# Altium PCB master.PcbDoc (part 4 of 5)
Units mm, origin at the board's own origin, x right, y up, seen from the top; angles counter-clockwise.
Board outline 160 x 120 mm, 4 copper layers (Top Copper, Signal Layer 1, Signal Layer 2, Bot Copper), stack 1.56 mm thick; 330 components, 331 nets, 1402 pads, 711 vias.
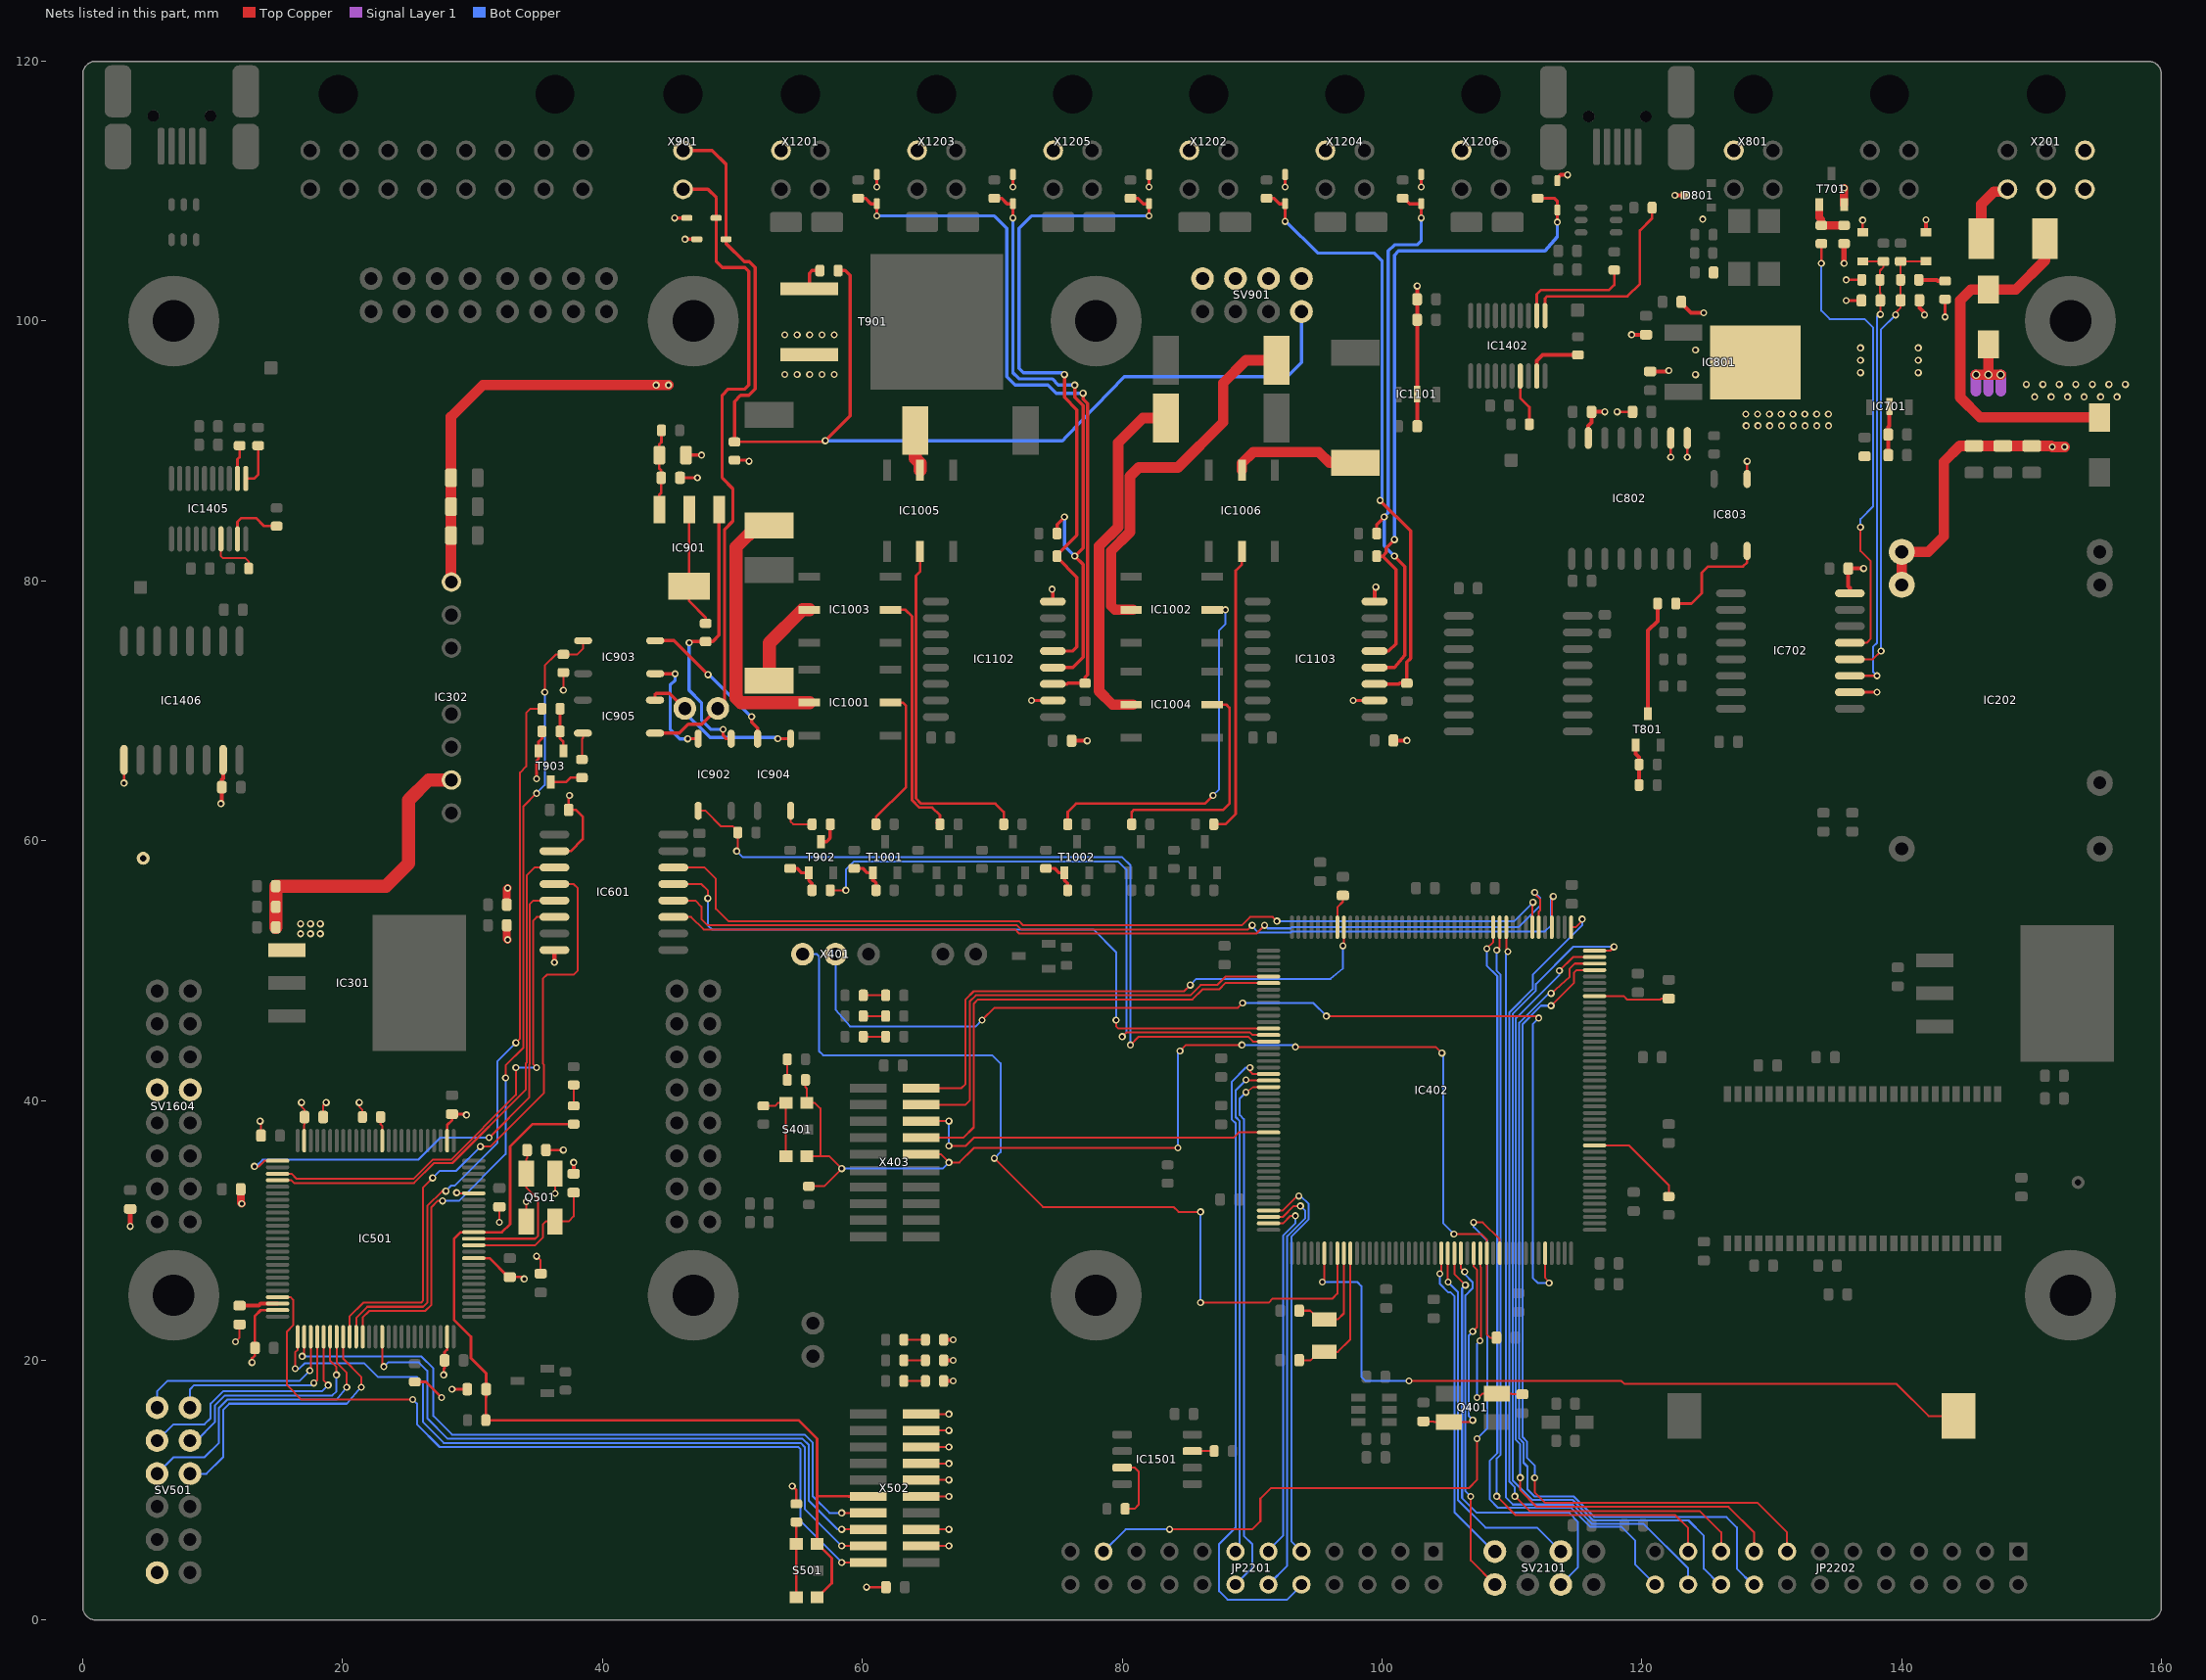
[diagram p6: the nets of this part, all layers, seen from the top]

## Via types
v1: diameter 0.55, hole 0.3, Top Copper to Bot Copper, tented both sides, 708 vias
v2: diameter 0.65, hole 0.4, Top Copper to Bot Copper, tented both sides, 3 vias

## Nets (pads, with @x,y where several pads share a name; then routed paths per layer and width w, separated by ;. In a path a pad name is that pad's centre, name@x,y a point inside that pad or via, vN(x,y) a via of type N, cw(c..) or ccw(c..) an arc to the next point about the centre after c; other vN are vias at no path point) (continued)
GND_1: C301.2 C305.2 C306.2 C307.2 C308.2 C501.1 C502.2 C503.2 C504.2 C505.2 C506.2 C507.2 C508.2 C509.2 C510.2 C511.2 C512.2 C513.2 C602.2 C1410.2 C1603.2 C1604.2 IC301.1 IC302.7 IC501.10 IC501.20 IC501.27 IC501.74 IC501.99 IC601.2 IC601.8 IC1406.9 IC1406.15 Q501.2 Q501.4 R301.2 R502.1 R506.1 R507.1 R508.1 R509.1 R904.1 R911.2 SV501.2 SV1604.9 SV1604.10 T903.S TP_GND_301.1 X502.3 X502.5 X502.9 X502.11 X502.13 X502.15 X502.17 X502.19 | length 102.3
  Top Copper w0.152: v1(11.747,21.416) 12.065,21.734 C511.2@12.065,22.63 ; v1(13.652,38.403) 13.721,38.334 C503.2@13.721,37.291 ; C512.2@18.505,38.72 18.505,39.604 v1(18.732,39.831) ; v1@21.375,39.729 v1(21.273,39.831) 21.273,39.524 21.525,39.272 R507.1@21.525,38.72 ; v1(28.77,32.897) 28.812,32.854 IC501.20@30.293,32.854 ; v1(32.067,30.624) 32.067,31.679 C502.2@32.124,31.735 ; v1(34.131,32.211) 34.142,32.2 Q501.4@34.142,30.679 ; v1(34.925,28.004) 35.242,27.687 C510.2@35.242,26.791 ; Q501.2@36.343,34.379 36.343,32.857 v1(36.354,32.846) ; v1(36.989,71.581) R904.1@36.989,72.795 ; X502.3@64.535,5.7 v1(66.675,5.7) ; X502.5@64.535,6.97 v1(66.675,6.97) ; X502.9@64.535,9.51 v1(66.675,9.51) ; X502.11@64.535,10.78 v1(66.675,10.78) ; X502.13@64.535,12.05 v1(66.675,12.05) ; X502.15@64.535,13.32 v1(66.675,13.32) ; X502.17@64.535,14.59 v1(66.675,14.59) ; X502.19@64.535,15.86 v1(66.675,15.86)
  Top Copper w0.203: v1(3.175,64.438) IC1406.9@3.175,66.213 IC1406.9@3.175,66.26 ; v1(13.018,19.829) 13.018,20.136 13.245,20.363 C507.2@13.245,20.94 13.245,23.405 13.694,23.854 IC501.74@14.992,23.854 ; R502.1@25.559,18.335 26.418,18.335 v1(27.622,17.13) ; v1(27.781,18.876) 27.781,19.342 27.85,19.411 C508.2@27.85,19.988 27.85,20.61 28.042,20.802 IC501.99@28.042,21.804 ; IC501.27@28.042,36.904 28.042,38.097 28.416,38.471 C506.2@28.416,38.948 29.459,38.948 v1(29.527,38.879) ; v1(28.416,17.765) C509.2@29.471,17.765 ; IC501.10@30.093,27.854 31.314,27.854 32.761,26.406 C504.2@32.861,26.406 33.824,26.406 v1(33.972,26.258) ; v1(34.925,64.755) 34.925,66.145 35.086,66.306 T903.S@35.086,66.908 35.086,67.605 35.336,67.855 R911.2@35.336,68.406 ; C505.2@35.775,36.18 v1(36.989,36.18) ; IC601.2@36.303,59.199 37.555,59.199 38.481,60.125 38.481,61.849 37.956,62.374 C602.2@37.396,62.374 37.396,63.416 v1(37.465,63.485) ; v1(54.61,10.304) 54.927,9.986 R506.1@54.927,8.94 ; v1(60.325,2.525) C513.2@61.698,2.525
  Top Copper w0.305: v1(10.636,62.85) 10.705,62.919 C1410.2@10.705,64.12 10.705,64.697 10.795,64.787 IC1406.15@10.795,66.213 ; v1(36.303,50.626) IC601.8@36.303,51.579 ; C501.1@37.782,34.355 v1(37.782,35.228) ; R509.1@66.264,18.4 v1(67.005,18.4) ; R508.1@66.264,19.988 v1(67.005,19.988) ; R301.2@66.264,21.575 v1(67.005,21.575)
  Top Copper w0.406: v1(3.651,30.306) C1604.2@3.651,31.52
  Top Copper w0.61: C1603.2@12.155,33.164 12.155,32.121 v1(12.224,32.053) ; C305.2@32.634,53.484 32.634,52.441 v1(32.703,52.373) ; C306.2@32.634,55.071 32.634,56.273 v1(32.703,56.341)
  Top Copper w1.016: C301.2@14.854,53.325 C308.2@14.854,54.913 C307.2@14.854,56.5 23.329,56.5 25.089,58.26 25.089,63.138 26.621,64.67 IC302.7@28.375,64.67
  other v1: 16.764,52.832 17.526,52.832 18.288,52.832 16.764,53.594 17.526,53.594 18.288,53.594
GND_EXT_0: C201.2 C203.2 C204.2 C302.2 C303.2 C304.2 C701.2 C702.2 C703.2 C704.2 C705.2 C706.2 C801.1 C802.1 C803.1 C804.2 C805.1 C806.1 C1101.2 C1102.2 C1103.2 C1104.2 C1105.2 D701.2 D702.2 D801.3 D1101.2 D1102.2 D1103.2 D1104.2 D1105.2 D1106.2 IC202.2 IC202.3 IC302.1 IC701.2 IC702.2 IC702.8 IC801.2 IC802.9 IC802.10 IC802.15 IC803.3 IC1101.2 IC1102.2 IC1102.8 IC1103.2 IC1103.8 R703.1 R705.1 R707.2 SV901.2 T201.2 T701.S X201.5 X801.1 X1201.1 X1202.1 X1203.1 X1204.1 X1205.1 X1206.1 | length 117.3
  Top Copper w0.203: v1(118.11,93.013) C805.1@119.29,93.013 C805.1@119.315,93.013 ; v1(122.237,89.52) IC802.10@122.237,90.995 IC802.10@122.237,91.095 ; v1(123.507,89.52) IC802.9@123.507,90.995 IC802.9@123.507,91.095 ; IC803.3@128.111,87.875 v1(128.111,89.203) ; v1(135.731,101.585) C704.2@136.786,101.585 ; v1(135.731,103.173) R703.1@136.786,103.173 ; IC702.2@135.973,71.423 IC702.2@136.02,71.423 v1(138.112,71.423) ; D701.2@137.001,106.85 v1(137.001,107.776) ; v1(143.351,100.315) R705.1@143.351,101.529
  Top Copper w0.254: v1(61.119,110.316) D1101.2@61.119,111.258 ; v1(71.596,110.316) D1103.2@71.596,111.258 ; v1(73.025,70.788) IC1102.2@74.668,70.788 IC1102.2@74.695,70.788 ; v1(74.612,79.36) 74.668,79.305 IC1102.8@74.668,78.408 ; v1(82.074,110.316) D1105.2@82.074,111.258 ; v1(92.551,110.316) D1102.2@92.551,111.258 ; v1(97.79,70.788) IC1103.2@99.433,70.788 IC1103.2@99.46,70.788 ; v1(103.029,110.316) D1104.2@103.029,111.258
  Top Copper w0.305: C1104.2@76.112,67.691 v1(77.311,67.691) ; IC1103.8@99.433,78.408 99.433,79.415 v1(99.536,79.519) ; C1105.2@100.883,67.708 v1(101.917,67.708) ; C1103.2@102.711,91.901 IC1101.2@102.711,94.379 C1102.2@102.711,100.101 C1101.2@102.711,101.676 v1(102.711,102.696) ; D1106.2@113.506,110.806 113.506,111.006 113.77,111.27 114.282,111.27 v1(114.3,111.252) ; IC802.15@115.887,90.995 115.887,91.947 116.136,92.195 C806.1@116.136,93.013 v1(117.157,93.013) ; v1(119.221,98.955) C802.1@120.332,98.955 ; C803.1@120.65,96.119 122.01,96.119 v1(122.079,96.188) ; v1(122.555,109.677) D801.3@123.358,109.677 ; C801.1@123.051,101.473 123.051,101.373 123.792,100.633 v1(124.777,100.633) ; IC702.8@136.02,79.043 136.02,79.444 135.901,79.563 C706.2@135.901,80.948 v1(137.081,80.948) ; C701.2@138.975,89.679 C702.2@138.975,91.266 138.975,91.843 139.065,91.933 IC701.2@139.065,93.426 ; C705.2@141.379,101.6 141.379,101.023 141.764,100.638 v1(141.764,100.474) ; D702.2@141.884,106.83 v1(141.884,107.798)
  Top Copper w0.406: v1(135.572,104.443) R707.2@135.572,105.815
  Top Copper w0.61: T701.S@135.57,108.958 135.57,110.234 v1(135.572,110.237)
  Top Copper w0.813: IC302.1@28.375,79.91 28.344,79.941 C302.2@28.344,83.488 C303.2@28.344,85.71 C304.2@28.344,87.933 28.344,92.623 30.797,95.076 v1(44.133,95.076) v1(45.085,95.076) ; IC202.3@140.017,79.62 IC202.3@140.017,79.69 IC202.2@140.017,82.16 ; IC202.2@140.017,82.23 142.047,82.23 143.256,83.439 143.256,89.154 144.488,90.386 C203.2@145.574,90.386 C204.2@147.796,90.386 C201.2@150.019,90.386 151.534,90.386 v1(151.606,90.314) v1(152.559,90.314) ; v2(145.732,95.87) v2(146.685,95.87) ; T201.2@146.685,98.315 T201.2@146.685,98.205 v2(146.685,95.87) ; v2(147.637,95.87) v2(146.685,95.87)
  Signal Layer 1 w0.813: 145.732,94.6 v2(145.732,95.87) ; 146.685,94.6 v2(146.685,95.87) ; 147.637,94.6 v2(147.637,95.87)
  other v1: 128.034,91.948 128.941,91.948 129.848,91.948 130.756,91.948 131.663,91.948 132.57,91.948 133.477,91.948 134.384,91.948 128.016,92.837 128.923,92.837 129.83,92.837 130.737,92.837 131.645,92.837 132.552,92.837 133.459,92.837 134.366,92.837 124.142,95.87 136.843,96.029 141.287,96.029 136.843,96.981 141.287,96.981 124.142,97.775 136.843,97.934 141.287,97.934 124.689,107.848
GND_EXT_2: C901.2 C902.2 D901.2 D902.2 R906.1 SV901.4 SV901.6 SV901.8 T901.3 X201.3 X201.6 | length 5.5
  Top Copper w0.203: C902.2@46.094,87.933 v1(47.307,87.933) ; D902.2@46.487,107.935 D902.2@46.514,107.908
  Top Copper w0.254: v1(45.561,107.935) D902.2@46.487,107.935 ; C901.2@46.352,89.679 C901.2@46.428,89.679 v1(47.625,89.679) ; v1(46.355,106.299) D901.2@47.262,106.299 ; R906.1@50.165,89.296 51.183,89.296 v1(51.276,89.203)
  Bot Copper w1.27: SV901.4@91.27,103.27 SV901.4@91.281,103.27
  other v1: 54.038,95.885 54.991,95.885 55.944,95.885 56.896,95.885 57.848,95.885 54.038,98.933 54.991,98.933 55.944,98.933 56.896,98.933 57.848,98.933
GPIO_MCU_1_0: IC501.83 SV501.7 | length 22.4
  Top Copper w0.152: IC501.83@20.042,21.604 20.042,20.106 21.431,18.718 v1(21.431,17.924)
  Bot Copper w0.152: SV501.7@8.255,11.27 8.269,11.256 9.525,11.256 10.795,12.526 10.795,16.178 11.271,16.654 20.32,16.654 v1(21.431,17.924)
GPIO_MCU_1_1: IC501.82 SV501.8 | length 23
  Top Copper w0.152: IC501.82@19.543,21.604 19.543,19.813 20.32,19.035 v1(20.32,17.924)
  Bot Copper w0.152: SV501.8@5.715,11.27 6.971,12.526 9.366,12.526 10.477,13.638 10.477,16.336 11.112,16.971 19.526,16.971 v1(20.32,17.924)
GPIO_MCU_1_2: IC501.81 SV501.9 | length 18
  Top Copper w0.152: IC501.81@19.042,21.804 19.042,19.953 19.526,19.47 v1(19.526,18.876)
  Bot Copper w0.152: SV501.9@8.255,13.81 8.745,13.81 10.16,15.225 10.16,16.495 10.954,17.289 19.209,17.289 19.526,17.606 v1(19.526,18.876)
GPIO_MCU_1_3: IC501.80 SV501.10 | length 19.3
  Top Copper w0.152: IC501.80@18.543,21.604 18.543,18.431 v1(18.891,18.083)
  Bot Copper w0.152: SV501.10@5.715,13.81 6.971,15.066 9.366,15.066 9.842,15.543 9.842,16.654 10.795,17.606 18.415,17.606 v1(18.891,18.083)
GPIO_MCU_1_4: IC501.79 SV501.11 | length 14.9
  Top Copper w0.152: 18.042,18.455 v1(17.78,18.241) 18.042,18.504 IC501.79@18.042,21.604
  Bot Copper w0.152: SV501.11@8.255,16.35 8.255,17.765 8.572,18.083 17.621,18.083 v1(17.78,18.241)
GPIO_MCU_1_5: IC501.78 SV501.12 | length 16.1
  Top Copper w0.152: v1(17.462,19.194) 17.543,19.274 IC501.78@17.543,21.604
  Bot Copper w0.152: SV501.12@5.715,16.35 5.715,17.606 6.509,18.4 16.669,18.4 v1(17.462,19.194)
HSE_1_MCU_0: C402.2 IC402.29 Q401.1 | length 17
  Top Copper w0.152: C402.2@103.188,15.294 103.988,15.294 104.046,15.236 Q401.1@105.148,15.236 106.85,15.236 v1(106.998,15.384) ; v1(106.998,22.21) 107.315,22.528 107.315,26.973 107.072,27.215 IC402.29@107.072,28.034
  Bot Copper w0.152: v1(106.998,15.384) 106.68,15.701 106.68,21.893 v1(106.998,22.21)
HSE_1_MCU_1: C501.2 IC501.12 Q501.1 | length 11
  Top Copper w0.152: IC501.12@30.093,28.854 34.823,28.854 35.433,29.464 35.433,30.471 35.641,30.679 Q501.1@36.343,30.679 37.384,30.679 37.782,31.077 C501.2@37.782,32.905
HSE_2_MCU_0: C414.1 IC402.30 Q401.3 | length 14.7
  Top Copper w0.152: v1(107.315,17.13) 107.44,17.13 107.746,17.436 Q401.3@108.847,17.436 109.949,17.436 110.007,17.379 C414.1@110.807,17.379 ; v1(107.553,21.496) 107.632,21.575 107.632,27.131 107.573,27.191 IC402.30@107.573,28.034
  Bot Copper w0.152: v1(107.315,17.13) 107.315,21.257 v1(107.553,21.496)
HSE_2_MCU_1: C505.1 IC501.13 Q501.3 | length 12
  Top Copper w0.152: IC501.13@30.093,29.354 34.815,29.354 35.052,29.591 35.052,32.368 34.142,33.277 Q501.3@34.142,34.379 34.142,35.48 34.2,35.538 C505.1@34.2,36.18
INTERLOCK_CONTROL_MCU_0: IC402.146 R909.2 | length 49
  Top Copper w0.152: R909.2@57.682,56.183 v1(58.737,56.183) ; v1(80.01,44.911) 80.328,45.229 89.852,45.229 90.048,45.034 IC402.146@91.072,45.034
  Bot Copper w0.152: v1(58.737,56.183) 58.737,57.77 59.372,58.405 79.692,58.405 80.328,57.77 80.328,45.229 v1(80.01,44.911)
INTERLOCK_CONTROL_MCU_1: IC501.85 R912.2 | length 57.7
  Top Copper w0.152: IC501.85@21.042,21.604 21.042,23.25 21.907,24.115 26.194,24.115 26.511,24.433 26.511,31.867 27.664,33.02 v1(27.94,33.02) ; v1(33.337,44.435) 33.655,44.753 33.655,65.231 34.131,65.708 34.131,69.835 34.449,70.153 R912.2@35.186,70.153
  Bot Copper w0.152: v1(27.94,33.02) 28.371,33.451 28.647,33.451 31.909,36.713 31.909,43.006 v1(33.337,44.435)
INTERLOCK_FEEDBACK_MCU_0: IC402.147 IC902.3 R903.2 | length 60.7
  Top Copper w0.152: IC902.3@47.371,62.298 47.938,62.298 49.138,61.098 50.047,61.098 50.418,60.728 R903.2@50.418,60.628 50.418,59.293 v1(50.324,59.199) ; v1(80.645,44.276) 81.28,44.911 89.694,44.911 90.071,44.534 IC402.147@91.072,44.534
  Bot Copper w0.152: v1(50.324,59.199) 50.8,58.723 80.01,58.723 80.645,58.088 v1(80.645,44.276)
INTERLOCK_FEEDBACK_MCU_1: IC501.86 IC903.3 R904.2 | length 65.2
  Top Copper w0.152: IC501.86@21.543,21.604 21.543,23.274 22.066,23.798 26.352,23.798 26.829,24.274 26.829,31.782 27.305,32.258 v1(27.686,32.258) ; v1(32.544,41.736) 32.544,42.689 33.909,44.054 33.909,62.628 v1(34.925,63.644) ; v1(35.56,71.423) 35.56,73.468 36.437,74.345 R904.2@36.989,74.345 38.064,74.345 38.511,74.792 IC903.3@38.511,75.393
  Bot Copper w0.152: v1(27.686,32.258) 28.939,32.258 32.544,35.863 v1(32.544,41.736) ; v1(34.925,63.644) 35.56,64.279 v1(35.56,71.423)
INTERLOCK_STATUS: D901.1 R905.1 R906.2 SV901.1 X901.1 | length 92.1
  Top Copper w0.152: X901.1@46.2,113.06 X901.1@46.2,113.14
  Top Copper w0.203: R906.2@50.165,90.696 57.056,90.696 v1(57.15,90.79) ; R906.2@50.165,90.846 R906.2@50.221,90.79
  Top Copper w0.254: X901.1@46.2,113.14 48.453,113.14 49.512,112.081 D901.1@49.512,106.299 49.512,105.972 50.913,104.572 51.306,104.572 51.752,104.125 51.752,94.759 51.276,94.283 50.641,94.283 50.165,93.806 R906.2@50.165,90.846 ; v1(57.15,90.79) 59.055,92.695 59.055,103.505 58.674,103.886 R905.1@58.137,103.886
  Bot Copper w0.203: SV901.1@93.81,100.73 SV901.1@93.821,100.719
  Bot Copper w0.254: v1(57.15,90.79) 75.406,90.79 75.724,91.108 80.169,95.711 92.71,95.711 93.821,96.823 SV901.1@93.821,100.719
ISO_GPIO_MCU_0_IN_0: IC402.100 JP2202.21 | length 61.9
  Top Copper w0.152: v1(108.839,9.525) 110.283,8.081 122.555,8.081 123.57,7.066 JP2202.21@123.57,5.27 ; v1(108.839,51.562) 109.072,51.795 IC402.100@109.072,53.534
  Bot Copper w0.152: v1(108.839,9.525) 108.839,12.446 109.139,12.746 109.139,49.679 108.839,49.979 v1(108.839,51.562)
ISO_GPIO_MCU_0_IN_1: IC402.101 JP2202.24 | length 61.6
  Top Copper w0.152: v1(108.07,51.689) 108.573,52.192 IC402.101@108.573,53.534
  Bot Copper w0.152: v1(108.07,51.689) 108.07,50.39 108.885,49.574 108.885,12.851 108.285,12.251 108.285,9.295 108.944,8.636 114.573,8.636 116.048,7.161 118.442,7.161 119.507,6.096 119.507,4.257 JP2202.24@121.032,2.732 JP2202.24@121.03,2.73
ISO_GPIO_MCU_0_IN_2: IC402.154 JP2201.14 | length 40.7
  Top Copper w0.152: v1(89.535,40.625) 90.102,41.034 IC402.154@91.072,41.034
  Bot Copper w0.152: JP2201.14@88.73,2.73 90.011,4.011 90.011,5.859 89.376,6.494 89.376,38.561 89.059,38.879 89.059,40.149 v1(89.535,40.625)
ISO_GPIO_MCU_0_IN_3: IC402.173 JP2201.9 | length 31.6
  Top Copper w0.152: IC402.173@91.072,31.534 92.367,31.534 93.472,32.639 v1(93.61,32.639)
  Bot Copper w0.152: v1(93.61,32.639) 93.748,32.639 94.361,32.026 94.361,30.846 93.027,29.513 93.027,6.053 JP2201.9@93.81,5.27
ISO_GPIO_MCU_0_OUT_0: IC402.152 JP2201.10 | length 50.5
  Top Copper w0.152: v1(89.852,42.53) 89.852,42.227 90.046,42.034 IC402.152@91.072,42.034
  Bot Copper w0.152: v1(89.852,42.53) 89.535,42.53 88.424,41.419 88.424,38.561 88.741,38.244 88.741,7.129 87.471,5.859 87.471,2.208 88.106,1.573 92.71,1.573 93.81,2.673 JP2201.10@93.81,2.729
ISO_GPIO_MCU_0_OUT_1: IC402.153 JP2201.13 | length 38.5
  Top Copper w0.152: v1@89.491,41.534 v1(89.535,41.578) 89.579,41.534 IC402.153@91.072,41.534
  Bot Copper w0.152: JP2201.13@88.73,5.27 89.059,5.599 89.059,38.403 88.741,38.72 88.741,40.784 v1(89.535,41.578)
ISO_GPIO_MCU_0_OUT_2: IC402.174 JP2201.12 | length 33.5
  Top Copper w0.152: IC402.174@91.072,31.034 92.375,31.034 93.218,31.877 v1(93.726,31.877)
  Bot Copper w0.152: JP2201.12@91.27,2.73 92.71,4.17 92.71,29.554 94.107,30.951 94.107,31.496 v1(93.726,31.877)
ISO_GPIO_MCU_0_OUT_3: IC402.175 JP2201.11 | length 29.2
  Top Copper w0.152: IC402.175@91.072,30.534 92.383,30.534 92.964,31.115 v1(93.345,31.115)
  Bot Copper w0.152: JP2201.11@91.27,5.27 91.281,5.281 91.281,5.383 92.392,6.494 92.392,29.596 93.345,30.548 v1(93.345,31.115)
ISONOC_0_CONTROL: IC402.85 JP2202.15 | length 66.6
  Top Copper w0.152: v1(111.76,10.939) 111.76,9.828 112.554,9.034 128.905,9.034 131.19,6.749 JP2202.15@131.19,5.27 ; v1(113.03,47.293) 114.776,49.039 114.776,49.833 114.977,50.034 IC402.85@116.573,50.034
  Bot Copper w0.152: v1(111.76,10.939) 111.76,11.891 111.157,12.495 111.157,13.746 110.825,14.078 110.825,45.871 112.246,47.293 v1(113.03,47.293)
ISONOC_1_CONTROL: IC402.86 JP2202.18 | length 66.7
  Top Copper w0.152: v1(113.03,48.245) 114.459,49.515 114.459,50.15 114.843,50.534 IC402.86@116.573,50.534
  Bot Copper w0.152: v1(113.03,48.245) 112.839,48.245 110.571,45.976 110.571,13.973 110.903,13.641 110.903,12.114 111.203,11.813 111.203,10.067 111.76,9.51 114.776,9.51 116.364,7.923 126.524,7.923 127.317,7.129 127.317,3.954 128.541,2.73 JP2202.18@128.65,2.73
ISONOC_2_CONTROL: IC402.87 JP2202.17 | length 65.7
  Top Copper w0.152: v1(110.649,10.954) 110.649,9.986 111.919,8.716 126.682,8.716 128.65,6.749 JP2202.17@128.65,5.27 ; v1(113.665,49.991) 114.707,51.034 IC402.87@116.573,51.034
  Bot Copper w0.152: v1(110.649,10.954) 110.649,13.535 110.317,13.868 110.317,46.325 113.665,49.674 v1(113.665,49.991)
ISONOC_3_CONTROL: IC402.88 JP2202.20 | length 68.6
  Top Copper w0.152: IC402.88@116.373,51.534 117.574,51.534 v1(117.856,51.816)
  Bot Copper w0.152: v1(117.856,51.816) 114.706,51.816 111.855,48.966 111.855,48.457 110.063,46.665 110.063,10.756 111.562,9.256 114.671,9.256 116.259,7.669 123.603,7.669 124.777,6.494 124.777,3.954 126.001,2.73 JP2202.20@126.11,2.73
ISONOC_4_CONTROL: IC402.89 JP2202.19 | length 66.6
  Top Copper w0.152: v1(110.236,9.525) 111.362,8.399 124.46,8.399 126.11,6.749 JP2202.19@126.11,5.27 ; IC402.89@114.572,53.334 114.929,53.334 115.411,53.816 v1(115.411,53.96)
  Bot Copper w0.152: v1(110.236,9.525) 110.236,10.223 109.809,10.651 109.809,46.77 111.601,48.563 111.601,49.674 115.411,53.484 v1(115.411,53.96)
ISONOC_5_CONTROL: IC402.99 JP2202.22 | length 61.5
  Top Copper w0.152: IC402.99@109.572,53.334 109.572,51.575 v1(109.689,51.458)
  Bot Copper w0.152: v1(109.689,51.458) 109.555,51.324 109.555,9.422 110.087,8.89 114.678,8.89 116.153,7.415 120.131,7.415 123.572,3.973 JP2202.22@123.572,2.732 JP2202.22@123.57,2.73
LSE_1_MCU_0: C428.2 IC402.9 Q402.2 | length 8.3
  Top Copper w0.152: C428.2@93.629,23.814 94.486,23.814 95.157,23.144 Q402.2@95.557,23.144 96.608,23.144 97.072,23.608 IC402.9@97.072,28.034
LSE_2_MCU_0: C429.1 IC402.10 Q402.1 | length 11
  Top Copper w0.152: C429.1@93.629,20.004 94.517,20.004 95.157,20.644 Q402.1@95.557,20.644 96.608,20.644 97.573,21.608 IC402.10@97.573,28.034
MCU_0_NRESET: C425.1 IC402.31 R404.1 R405.1 S401.3 S401.4 X403.10 | length 95.1
  Top Copper w0.152: R404.1@55.628,41.578 55.628,41.026 55.728,40.926 S401.4@55.728,39.818 56.329,39.818 56.769,39.378 56.769,35.717 ; S401.3@55.728,35.717 56.769,35.717 ; R405.1@55.88,33.388 57.056,33.388 v1(58.42,34.751) 57.454,35.717 56.769,35.717 ; X403.10@64.535,35.863 66.04,35.863 v1(66.675,35.228) 67.469,35.228 68.58,36.339 v1(84.296,36.339) ; v1(84.455,43.8) 84.931,44.276 v1(89.218,44.276) ; v1(93.345,44.118) 104.14,44.118 v1(104.616,43.641) ; v1(105.537,29.718) 107.658,29.718 108.072,29.304 108.072,21.997 108.336,21.734 C425.1@108.813,21.734
  Bot Copper w0.152: v1(58.42,34.751) 66.199,34.751 v1(66.675,35.228) ; v1(84.296,36.339) 84.296,43.641 v1(84.455,43.8) ; v1(89.218,44.276) 93.186,44.276 v1(93.345,44.118) ; v1(104.616,43.641) 104.729,43.529 104.729,30.526 v1(105.537,29.718)
MCU_0_RTC_ALARM_OUT: IC402.8 X401.3 | length 68.8
  Top Copper w0.152: v1(70.168,35.545) 73.912,31.801 83.955,31.801 84.338,31.418 v1(86.042,31.418) ; v1(86.042,24.433) 91.281,24.433 91.599,24.75 96.203,24.75 96.573,25.12 IC402.8@96.573,28.034
  Bot Copper w0.152: X401.3@55.404,51.261 56.514,51.261 56.674,51.102 56.674,43.8 56.991,43.483 70.009,43.483 70.644,42.848 70.644,36.021 v1(70.168,35.545) ; v1(86.042,24.433) v1(86.042,31.418)
MCU_0_RTC_WAKEUP_IN: IC402.40 X401.2 | length 84
  Top Copper w0.152: v1(69.215,46.181) 70.168,47.134 88.917,47.134 v1(89.281,47.498) ; v1(95.726,46.499) 111.919,46.499 v1(112.078,46.34) ; IC402.40@112.573,28.034 112.573,26.356 v1(112.871,25.941)
  Bot Copper w0.152: X401.2@57.944,51.261 57.944,46.975 59.055,45.705 68.739,45.705 v1(69.215,46.181) ; v1(89.281,47.498) 94.727,47.498 v1(95.726,46.499) ; v1(112.078,46.34) 111.601,45.864 111.601,26.338 111.998,25.941 v1(112.871,25.941)
MCU_0_SWCLK: IC402.137 X403.4 | length 35.1
  Top Copper w0.152: X403.4@64.535,39.673 67.945,39.673 68.263,39.99 68.263,47.61 68.739,48.086 85.249,48.086 86.042,48.88 87.312,48.88 87.966,49.534 IC402.137@91.072,49.534
MCU_0_SWDIO: IC402.124 X403.2 | length 43.6
  Top Copper w0.152: X403.2@64.535,40.943 67.627,40.943 67.945,41.26 67.945,47.769 68.58,48.404 84.772,48.404 v1(85.249,48.88) ; IC402.124@97.072,53.534 v1@97.072,51.979 ; v1@97.072,51.979 97.072,51.972 v1(96.996,51.896) v1@97.072,51.979
  Bot Copper w0.152: v1(85.249,48.88) 85.725,49.356 96.044,49.356 96.996,50.15 v1(96.996,51.896)
MCU_0_SWO: IC402.161 X403.6 | length 28.9
  Top Copper w0.152: X403.6@64.535,38.403 v1(66.675,38.403) ; v1(66.675,36.498) 67.945,36.498 68.58,37.133 88.582,37.133 88.984,37.534 IC402.161@91.072,37.534
  Bot Copper w0.152: v1(66.675,36.498) v1(66.675,38.403)
MCU_0_TDI: IC402.138 X403.8 | length 37.3
  Top Copper w0.152: X403.8@64.535,37.133 67.786,37.133 68.58,37.926 68.58,47.451 68.897,47.769 85.407,47.769 86.196,48.557 87.466,48.557 87.947,49.039 87.953,49.034 IC402.138@91.272,49.034
MCU_1_NRESET: C509.1 IC501.14 R503.1 R505.1 S501.3 S501.4 X502.10 | length 74.6
  Top Copper w0.203: R503.1@37.782,38.179 34.623,38.179 32.893,36.449 32.893,30.48 32.267,29.854 IC501.14@30.093,29.854 29.091,29.854 28.574,29.337 28.574,23.115 29.878,21.811 29.878,20.16 31.046,18.992 C509.1@31.046,17.765 31.046,17.188 31.021,17.163 R505.1@31.021,15.384 55.101,15.384 56.521,13.964 56.521,9.525 ; S501.3@56.521,1.745 56.571,1.745 57.658,2.832 57.658,4.758 56.571,5.845 S501.4@56.521,5.845 56.521,9.525 ; X502.10@60.465,9.51 58.963,9.51 58.948,9.525 56.521,9.525
MCU_1_SWCLK: IC501.76 X502.4 | length 57.2
  Top Copper w0.152: v1(16.351,19.353) 16.337,19.367 16.337,20.596 16.542,20.802 IC501.76@16.542,21.804 ; v1(58.42,5.7) X502.4@60.465,5.7
  Bot Copper w0.152: v1(16.351,19.353) 16.669,19.353 17.064,19.748 21.671,19.748 22.701,18.718 25.717,18.718 26.194,18.241 26.194,15.225 27.781,13.638 55.245,13.638 55.562,13.32 55.562,8.558 v1(58.42,5.7)
MCU_1_SWDIO: IC501.72 X502.2 | length 62.6
  Top Copper w0.152: IC501.72@14.992,24.854 15.994,24.854 16.192,24.655 16.192,22.686 15.716,22.21 15.716,18.083 16.828,16.971 v1(25.4,16.971) ; v1(58.42,4.43) X502.2@60.465,4.43
  Bot Copper w0.152: v1(25.4,16.971) 25.717,16.654 25.717,15.066 27.464,13.32 55.086,13.32 55.245,13.161 55.245,7.605 v1(58.42,4.43)
MCU_1_SWO: IC501.89 X502.6 | length 49.6
  Top Copper w0.152: v1@23.019,19.67 v1@23.043,19.646 ; IC501.89@23.043,21.604 v1@23.043,19.646 ; v1(23.177,19.511) v1@23.043,19.646 ; v1(58.42,6.97) X502.6@60.465,6.97
  Bot Copper w0.152: v1(23.177,19.511) 23.495,19.829 25.876,19.829 26.511,19.194 26.511,15.543 28.099,13.955 55.404,13.955 55.88,13.479 55.88,9.193 58.102,6.97 v1(58.42,6.97)
MCU_1_TDI: IC501.77 X502.8 | length 54.7
  Top Copper w0.152: v1@17.042,20.408 16.94,20.305 v1(16.891,20.305) 16.891,20.369 17.042,20.52 IC501.77@17.042,21.604 ; v1(58.42,8.24) X502.8@60.465,8.24
  Bot Copper w0.152: v1(16.891,20.305) 26.035,20.305 26.987,19.353 26.987,15.701 28.416,14.273 55.562,14.273 56.197,13.638 56.197,9.51 57.468,8.24 v1(58.42,8.24)
MCU_TO_FPGA_INTERFACE_MCU_0_CS: IC402.24 SV2101.7 | length 24.8
  Top Copper w0.152: v1(104.457,26.655) 104.573,26.77 IC402.24@104.573,28.034
  Bot Copper w0.152: v1(104.457,26.655) 104.457,25.871 105.093,25.236 105.259,25.236 105.6,24.894 105.6,8.267 108.644,5.224 SV2101.7@108.69,5.27
MCU_TO_FPGA_INTERFACE_MCU_0_MISO: IC402.26 SV2101.4 | length 34.2
  Top Copper w0.152: IC402.26@105.573,28.034 105.573,26.634 v1(106.426,25.781)
  Bot Copper w0.152: v1(106.426,25.781) 106.172,25.527 106.172,9.393 107.31,8.255 114.437,8.255 115.094,7.543 115.094,4.054 SV2101.4@113.77,2.73
MCU_TO_FPGA_INTERFACE_MCU_0_MOSI: IC402.27 SV2101.8 | length 27
  Top Copper w0.152: IC402.27@106.073,28.234 106.073,27.104 v1(106.362,26.814) ; v1(106.839,9.51) 106.839,4.581 SV2101.8@108.69,2.73
  Bot Copper w0.152: v1(106.362,26.814) 106.362,26.629 106.98,26.011 106.98,25.551 106.426,24.997 106.426,9.923 v1(106.839,9.51)
MCU_TO_FPGA_INTERFACE_MCU_0_SCK: IC402.25 SV2101.3 | length 28.7
  Top Copper w0.152: IC402.25@105.072,28.034 105.072,26.04 v1(105.093,26.02)
  Bot Copper w0.152: v1(105.093,26.02) 105.855,25.258 105.855,9.229 107.97,7.114 111.926,7.114 SV2101.3@113.77,5.27
MCU_TO_MCU_INTERFACE_MCU_0_CS: IC402.92 IC601.12 | length 74.5
  Top Copper w0.152: IC601.12@45.406,55.389 IC601.12@45.453,55.389 47.149,55.389 47.625,54.913 47.625,53.96 48.101,53.484 71.914,53.484 72.231,53.166 89.694,53.166 v1(90.011,53.484) ; IC402.92@113.072,53.334 113.072,55.59 v1(113.189,55.706)
  Bot Copper w0.152: v1(90.011,53.484) 90.468,52.912 92.974,52.912 93.069,53.008 112.554,53.008 113.03,53.484 113.03,55.548 v1(113.189,55.706)
MCU_TO_MCU_INTERFACE_MCU_0_MISO: IC402.94 IC601.11 | length 72.5
  Top Copper w0.152: IC601.11@45.406,54.119 IC601.11@45.453,54.119 46.831,54.119 47.784,53.166 71.755,53.166 72.072,52.849 90.329,52.849 v1(90.964,53.484) ; v1(111.76,56.024) 111.76,55.902 112.187,55.475 112.187,54.648 112.072,54.533 IC402.94@112.072,53.334
  Bot Copper w0.152: v1(90.964,53.484) 91.201,53.247 92.949,53.247 93.027,53.325 110.497,53.325 112.187,55.015 112.187,55.596 v1(111.76,56.024)
MCU_TO_MCU_INTERFACE_MCU_0_MOSI: IC402.95 IC601.14 | length 72.3
  Top Copper w0.152: IC601.14@45.406,57.929 IC601.14@45.453,57.929 47.862,57.929 48.736,57.055 48.736,54.754 49.689,53.801 72.072,53.801 72.39,53.484 89.218,53.484 89.852,54.119 91.599,54.119 v1(91.916,53.801) ; IC402.95@111.572,53.334 111.572,55.184 v1(111.633,55.245)
  Bot Copper w0.152: v1(91.916,53.801) 110.189,53.801 v1(111.633,55.245)
MCU_TO_MCU_INTERFACE_MCU_0_SCK: IC402.145 IC601.13 | length 55.2
  Top Copper w0.152: IC601.13@45.406,56.659 IC601.13@45.453,56.659 47.625,56.659 48.101,56.183 v1(48.101,55.548) ; v1(79.534,46.181) 79.534,45.705 79.705,45.534 IC402.145@91.072,45.534
  Bot Copper w0.152: v1(48.101,55.548) 48.101,53.484 48.419,53.166 77.787,53.166 79.534,51.42 v1(79.534,46.181)
MCU_TO_MCU_INTERFACE_MCU_1_CS: IC501.51 IC601.5 | length 42.3
  Top Copper w0.152: v1(13.208,34.925) 13.562,34.925 13.991,35.354 IC501.51@14.992,35.354 ; v1(31.274,37.133) 34.371,40.229 34.371,42.76 34.417,42.806 34.417,55.118 34.688,55.389 IC601.5@36.303,55.389 IC601.5@36.351,55.389
  Bot Copper w0.152: v1(13.208,34.925) 13.335,34.925 13.843,35.433 25.806,35.433 27.505,37.133 v1(31.274,37.133)
MCU_TO_MCU_INTERFACE_MCU_1_MISO: IC501.53 IC601.6 | length 38.3
  Top Copper w0.152: IC501.53@14.792,34.354 16.065,34.354 16.461,33.958 25.449,33.958 26.924,35.433 28.343,35.433 33.337,40.428 v1(33.337,42.53) ; v1(34.925,42.53) 34.671,42.784 34.671,53.848 34.942,54.119 IC601.6@36.303,54.119 IC601.6@36.351,54.119
  Bot Copper w0.152: v1(33.337,42.53) v1(34.925,42.53)
MCU_TO_MCU_INTERFACE_MCU_1_MOSI: IC501.54 IC601.3 | length 41.3
  Top Copper w0.152: IC501.54@14.792,33.854 16.057,33.854 16.271,33.64 25.49,33.64 27.029,35.179 28.448,35.179 34.117,40.848 34.117,42.865 34.163,42.911 34.163,57.326 34.766,57.929 IC601.3@36.303,57.929 IC601.3@36.351,57.929
MCU_TO_MCU_INTERFACE_MCU_1_SCK: IC501.84 IC601.4 | length 49
  Top Copper w0.152: IC501.84@20.543,21.604 20.543,23.385 21.59,24.433 26.035,24.433 26.194,24.591 26.194,33.306 v1(26.924,34.036) ; v1(30.607,36.449) 31.374,36.449 35.479,40.554 35.479,42.76 35.401,42.838 35.401,49.356 35.719,49.674 37.782,49.674 38.1,49.991 38.1,56.341 37.782,56.659 IC601.4@36.351,56.659
  Bot Copper w0.152: v1(26.924,34.036) 27.478,34.59 28.748,34.59 v1(30.607,36.449)
Memory_SUPPLY_CONTROL: IC402.33 JP2201.21 | length 56.5
  Top Copper w0.152: v1(83.661,6.97) 90.011,6.97 90.646,7.605 90.646,9.351 91.44,10.145 106.68,10.145 107.315,10.78 v1(107.315,13.955) ; v1(107.061,30.607) 107.769,30.607 109.072,29.304 IC402.33@109.072,28.034
  Bot Copper w0.152: JP2201.21@78.57,5.27 80.27,6.97 v1(83.661,6.97) ; v1(107.061,30.607) 107.061,30.243 108.108,29.196 108.108,14.748 v1(107.315,13.955)
NetBATT_+: BATT.+ IC402.6 | length 59.4
  Top Copper w0.152: v1(95.409,26.02) 95.573,26.184 IC402.6@95.573,28.034 ; v1(102.076,18.4) 118.437,18.4 118.674,18.163 139.619,18.163 142.081,15.701 BATT.+@144.376,15.701
  Bot Copper w0.152: v1(95.409,26.02) 98.108,26.02 98.425,25.703 98.425,18.718 98.742,18.4 v1(102.076,18.4)
NetC426_1: C426.1 IC402.125 | length 2.6
  Top Copper w0.152: IC402.125@96.572,53.334 96.572,54.875 96.996,55.298 C426.1@96.996,55.775
NetC427_1: C427.1 IC402.81 | length 5.8
  Top Copper w0.152: IC402.81@116.573,48.034 118.599,48.034 118.872,47.761 121.426,47.761 121.502,47.838 C427.1@122.079,47.838 C427.1@122.002,47.761
NetC511_1: C511.1 IC501.73 | length 3
  Top Copper w0.305: C511.1@12.065,24.205 13.542,24.205 13.691,24.354 IC501.73@14.992,24.354
NetC512_1: C512.1 IC501.49 | length 3
  Top Copper w0.152: v1(16.828,39.831) 16.828,39.524 17.055,39.297 C512.1@17.055,38.72 17.055,38.143 17.043,38.131 IC501.49@17.043,36.904
NetC704_1: C704.1 D701.1 IC702.3 R701.1 R703.2 | length 36.1
  Top Copper w0.152: D701.1@137.001,104.598 R701.1@138.608,104.598 138.608,104.146 138.336,103.874 R703.2@138.336,103.173 138.336,102.187 138.361,102.162 C704.1@138.361,101.585 v1(138.361,100.508)
  Top Copper w0.203: IC702.3@135.973,72.693 IC702.3@136.02,72.693 v1(138.112,72.693)
  Bot Copper w0.152: v1(138.112,72.693) 137.795,73.01 137.795,74.915 138.112,75.233 138.112,100.368 v1@138.252,100.508
NetC705_1: C705.1 D702.1 IC702.4 R702.1 R704.2 | length 35.1
  Top Copper w0.152: IC702.4@135.973,73.963 IC702.4@136.02,73.963 137.795,73.963 v1(138.43,74.598) ; v1(139.541,100.474) 139.541,100.636 139.929,101.023 C705.1@139.929,101.6 R704.2@139.929,103.173 R702.1@139.929,104.6 D702.1@141.732,104.6
  Bot Copper w0.152: v1(138.43,74.598) 138.43,99.363 v1(139.541,100.474)
NetC901_1: C901.1 C902.1 IC901.3 R901.1 | length 6.3
  Top Copper w0.203: IC901.3@44.372,85.485 44.372,86.637 44.519,86.783 C902.1@44.519,87.933 44.519,88.509 44.378,88.65 C901.1@44.378,89.679 44.378,90.505 44.544,90.672 R901.1@44.544,91.584
NetD201_2: D201.2 F201.2 T201.1 | length 28.3
  Top Copper w0.813: F201.2@151.04,106.348 151.04,104.671 148.794,102.425 T201.1@146.685,102.425 145.351,102.425 144.526,101.6 144.526,94.107 146.05,92.583 D201.2@155.257,92.583
  other v1: 150.241,94.17 151.511,94.17 152.781,94.17 154.051,94.17 155.321,94.17 156.591,94.17 149.606,95.123 150.876,95.123 152.146,95.123 153.416,95.123 154.686,95.123 155.956,95.123 157.226,95.123
NetD902_1: D902.1 IC905.3 X901.2 X902.1 | length 52.4
  Top Copper w0.152: X901.2@46.2,109.96 X901.2@46.2,110.14
  Top Copper w0.254: IC905.3@44.047,68.277 45.925,68.277 46.609,68.961 47.664,68.961 X902.1@48.88,70.177 49.403,70.7 49.403,83.947 50.038,84.582 50.038,87.107 49.212,87.933 49.212,94.283 49.689,94.759 50.959,94.759 51.276,95.076 51.276,103.808 50.959,104.125 49.212,104.125 48.763,104.575 48.763,109.496 48.119,110.14 X901.2@46.2,110.14
NetD1101_1: D1101.1 IC1102.3 R1101.2 R1107.1 | length 55.8
  Top Copper w0.254: R1101.2@59.69,109.458 60.242,109.458 60.667,109.033 D1101.1@61.119,109.033 v1(61.119,108.094) ; IC1102.3@74.668,72.058 75.769,72.058 75.834,72.123 R1107.1@77.153,72.123 77.153,72.574 77.349,72.771 77.349,93.636 76.994,93.992 v1(76.994,94.441)
  Bot Copper w0.254: v1(61.119,108.094) 70.168,108.094 71.12,107.141 71.12,95.711 71.755,95.076 74.295,95.076 74.93,94.441 v1(76.994,94.441)
NetD1102_1: D1102.1 IC1103.3 R1104.1 R1108.1 | length 47.8
  Top Copper w0.254: R1104.1@91.123,109.458 91.674,109.458 92.099,109.033 D1102.1@92.551,109.033 v1(92.551,107.671) ; IC1103.3@99.433,72.058 101.301,72.058 101.366,72.123 R1108.1@101.917,72.123 101.917,73.743 102.205,74.03 102.205,83.835 v1(99.854,86.186)
  Bot Copper w0.254: v1@92.616,107.671 95.051,105.236 99.377,105.236 100.013,104.601 100.013,86.345 v1(99.854,86.186)
NetD1103_1: D1103.1 IC1102.4 R1102.2 R1109.1 | length 49
  Top Copper w0.254: R1102.2@70.168,109.458 70.719,109.458 71.144,109.033 D1103.1@71.596,109.033 v1(71.596,107.935) ; IC1102.4@74.695,73.328 76.2,73.328 76.994,74.121 76.994,81.265 v1(76.359,81.9) 76.994,82.535 76.994,93.489 76.359,94.124 v1(76.359,95.076) ; R1109.1@74.995,83.646 74.995,84.346 v1(75.565,84.916)
  Bot Copper w0.254: v1(71.596,107.935) 71.596,96.029 72.072,95.553 74.612,95.553 75.089,95.076 v1(76.359,95.076) ; v1(75.565,84.916) 75.565,82.694 v1(76.359,81.9)
NetD1104_1: D1104.1 IC1103.4 R1105.1 R1110.1 | length 43.5
  Top Copper w0.254: IC1103.4@99.46,73.328 100.965,73.328 101.759,74.28 101.759,81.106 v1(100.965,81.9) ; R1110.1@99.601,83.646 99.601,84.346 v1(100.171,84.916) ; R1105.1@101.6,109.458 101.7,109.458 102.125,109.033 D1104.1@103.029,109.033 v1(103.029,107.935)
  Bot Copper w0.254: v1(100.965,81.9) 100.171,82.694 v1(100.171,84.916) 100.489,85.234 100.489,105.395 100.965,105.871 102.711,105.871 103.029,106.189 v1(103.029,107.935)
NetD1105_1: D1105.1 IC1102.5 R1103.2 R1111.1 | length 52
  Top Copper w0.254: IC1102.5@74.695,74.598 76.2,74.598 76.517,74.915 76.517,80.278 74.995,81.8 R1111.1@74.995,81.9 74.995,82 76.517,83.523 76.517,93.171 75.565,94.124 v1(75.565,95.87) ; R1103.2@80.645,109.458 81.197,109.458 81.622,109.033 D1105.1@82.074,109.033 v1(82.074,108.094)
  Bot Copper w0.254: v1(75.565,95.87) 75.406,96.029 72.39,96.029 72.072,96.346 72.072,107.141 73.025,108.094 v1(82.074,108.094)
NetD1106_1: D1106.1 IC1103.5 R1106.1 R1112.1 | length 50.6
  Top Copper w0.254: IC1103.5@99.433,74.598 100.534,74.598 101.092,75.155 101.092,80.861 100.053,81.9 ; R1112.1@99.601,81.9 100.053,81.9 ; v1(100.965,83.17) 100.33,82.535 100.33,82.177 100.053,81.9 ; R1106.1@111.998,109.458 113.254,109.458 113.506,109.205 D1106.1@113.506,108.556 v1(113.506,107.618)
  Bot Copper w0.254: v1(100.965,83.17) 100.965,105.078 101.282,105.395 112.554,105.395 113.506,106.506 v1(113.506,107.618)
NetF201_1: F201.1 X201.4 | length 5
  Top Copper w0.813: F201.1@146.14,106.348 146.14,108.977 147.122,109.96 X201.4@148.13,109.96
NetF1001_1: F1001.1 IC1001.5 | length 20.6
  Top Copper w1.016: F1001.1@52.832,84.269 51.957,84.269 50.292,82.604 50.292,70.993 50.656,70.629 IC1001.5@55.93,70.629
NetF1002_1: F1002.1 IC1002.5 | length 29.1
  Top Copper w0.813: IC1002.5@80.82,77.773 IC1002.5@80.695,77.773 79.453,77.773 79.146,78.08 79.146,82.298 80.607,83.759 80.607,88.053 81.28,88.726 84.296,88.726 87.789,92.219 87.789,95.235 89.535,96.981 F1002.1@91.88,96.981
NetF1003_1: F1003.1 IC1003.5 | length 7
  Top Copper w1.016: F1003.1@52.832,72.331 52.832,75.2 55.405,77.773 IC1003.5@55.93,77.773
NetF1004_1: F1004.1 IC1004.5 | length 27.2
  Top Copper w0.813: IC1004.5@80.82,70.47 IC1004.5@80.695,70.47 79.263,70.47 78.232,71.501 78.232,82.677 79.692,84.138 79.692,90.631 81.597,92.536 F1004.1@83.38,92.536
NetF1005_1: F1005.1 IC1005.5 | length 3.2
  Top Copper w1.016: F1005.1@64.076,91.567 64.076,89.419 64.453,89.043 IC1005.5@64.453,88.518
NetF1006_1: F1006.1 IC1006.5 | length 10.8
  Top Copper w0.813: IC1006.5@89.218,88.518 89.218,89.043 90.091,89.916 95.136,89.916 95.972,89.08 F1006.1@97.949,89.08 97.985,89.044 F1006.1@97.155,89.044
NetIC402_58: IC402.58 R407.2 | length 7.5
  Top Copper w0.152: IC402.58@116.573,36.534 119.026,36.534 122.079,33.481 R407.2@122.079,32.744
NetIC501_37: IC501.37 R507.2 | length 1.9
  Top Copper w0.152: R507.2@22.925,38.72 22.925,38.168 23.042,38.051 IC501.37@23.042,36.904
NetIC702_5: IC702.5 R706.1 | length 36
  Top Copper w0.152: IC702.5@135.973,75.233 IC702.5@136.02,75.233 137.319,75.233 137.636,75.55 137.636,81.503 136.843,82.297 v1(136.843,84.123)
  Top Copper w0.203: v1(133.826,104.443) R706.1@133.826,105.815
  Bot Copper w0.152: v1(133.826,104.443) 133.826,100.791 134.461,100.156 137.16,100.156 137.795,99.521 137.795,85.71 136.843,84.758 v1(136.843,84.123)
NetIC803_2: IC803.2 R804.1 | length 8.6
  Top Copper w0.203: R804.1@122.62,78.249 123.825,78.249 124.619,79.043 124.619,80.63 125.095,81.106 127.794,81.106 128.111,81.424 IC803.2@128.111,82.275
NetIC901_1: IC901.1 IC902.1 R902.1 | length 21.7
  Top Copper w0.254: v1(46.672,75.233) 46.766,75.326 R902.1@47.942,75.326 48.494,75.326 48.972,75.805 IC901.1@48.972,85.435 ; v1(49.29,68.562) 49.29,68.092 49.534,67.848 IC902.1@49.911,67.848
  Bot Copper w0.254: v1(46.672,75.233) 46.672,71.58 47.625,70.627 47.625,69.285 48.348,68.562 v1(49.29,68.562)
NetIC901_2: IC901.2 IC901.4 R902.2 | length 9.3
  Top Copper w0.203: IC901.2@46.672,85.485 IC901.4@46.672,79.585 46.672,78.448 47.942,77.178 R902.2@47.942,76.726
NetIC902_2: IC902.2 IC903.1 | length 8.4
  Top Copper w0.254: IC903.1@44.061,72.853 45.588,72.853 v1(45.598,72.843) ; v1(46.563,67.838) 46.572,67.848 IC902.2@47.371,67.848
  Bot Copper w0.254: v1(45.598,72.843) 45.598,72.367 45.212,71.981 45.212,68.58 45.954,67.838 v1(46.563,67.838)
NetIC903_2: IC903.2 IC904.4 | length 11.7
  Top Copper w0.254: IC903.2@44.061,75.393 45.511,75.393 v1(48.133,72.771) ; v1(51.489,69.548) 51.489,69.103 51.943,68.649 IC904.4@51.943,67.848
  Bot Copper w0.254: v1(48.133,72.771) 48.209,72.771 51.432,69.548 v1(51.489,69.548)
NetIC904_2: IC904.2 R907.2 | length 2.6
  Top Copper w0.152: IC904.2@54.483,62.298 54.483,61.468 54.688,61.263 R907.2@56.133,61.263
NetIC904_3: IC904.3 IC905.4 X902.2 | length 12.6
  Top Copper w0.254: IC905.4@44.047,70.817 44.047,71.25 44.145,71.349 45.168,71.349 X902.2@46.34,70.177 ; v1(53.499,67.848) IC904.3@54.483,67.848
  Bot Copper w0.254: X902.2@46.038,70.177 48.285,67.93 v1@53.499,67.93
NetIC905_2: IC905.2 R910.2 | length 2.1
  Top Copper w0.152: R910.2@38.417,66.249 38.417,67.821 38.497,67.901 IC905.2@38.497,68.277
NetIC1001_2: IC1001.2 R1005.2 | length 11.4
  Top Copper w0.203: R1005.2@61.054,61.263 61.054,61.814 63.373,64.133 63.373,70.362 63.107,70.629 IC1001.2@62.18,70.629
NetIC1002_2: IC1002.2 R1006.2 | length 28.5
  Top Copper w0.203: R1006.2@75.818,61.263 75.818,62.214 76.454,62.85 86.36,62.85 v1(86.995,63.485) ; IC1002.2@86.82,77.773 IC1002.2@86.945,77.773 v1(87.947,77.773)
  Bot Copper w0.152: v1(86.995,63.485) 87.471,63.961 87.471,76.185 87.947,76.661 v1(87.947,77.773)
NetIC1003_2: IC1003.2 R1011.2 | length 19.6
  Top Copper w0.203: IC1003.2@62.055,77.773 IC1003.2@62.18,77.773 63.324,77.773 63.83,77.267 63.83,63.12 64.405,62.545 65.392,62.545 65.975,61.963 R1011.2@65.975,61.263 ; R1011.2@65.722,61.365 R1011.2@65.825,61.263
NetIC1004_2: IC1004.2 R1012.2 | length 17.7
  Top Copper w0.203: R1012.2@80.739,61.263 80.739,62.197 80.916,62.374 87.789,62.374 88.265,62.85 88.265,70.231 88.026,70.47 IC1004.2@86.945,70.47 IC1004.2@86.82,70.47
NetIC1005_2: IC1005.2 R1017.2 | length 27.4
  Top Copper w0.203: IC1005.2@64.453,82.393 IC1005.2@64.453,82.268 64.453,80.709 64.135,80.391 64.135,63.246 64.531,62.85 70.246,62.85 70.896,62.2 R1017.2@70.896,61.263
NetIC1006_2: IC1006.2 R1018.2 | length 22.4
  Top Copper w0.203: R1018.2@87.21,61.263 87.947,61.263 88.741,62.056 88.741,80.789 89.218,81.265 IC1006.2@89.218,82.268 IC1006.2@89.218,82.393
NetIC1402_7: IC1402.7 R1404.1 | length 4
  Top Copper w0.203: IC1402.7@110.649,95.768 110.649,94.075 111.349,93.375 R1404.1@111.349,92.06
NetIC1402_9: IC1402.9 R1403.1 | length 4.5
  Top Copper w0.305: IC1402.9@111.919,95.768 111.919,96.933 112.379,97.393 R1403.1@115.094,97.393
NetIC1402_11: IC1402.11 R1402.1 | length 15
  Top Copper w0.203: IC1402.11@112.554,100.76 112.554,101.744 112.712,101.903 118.904,101.903 119.856,102.855 119.856,106.983 120.794,107.921 R1402.1@120.795,108.729
NetIC1402_12: IC1402.12 R1401.1 | length 8.7
  Top Copper w0.203: IC1402.12@111.919,100.76 111.919,102.061 112.236,102.379 117.475,102.379 117.885,102.789 R1401.1@117.885,103.927
NetIC1405_7: IC1405.7 R1408.1 | length 3.8
  Top Copper w0.152: IC1405.7@10.636,82.884 10.636,81.9 10.795,81.741 12.523,81.741 12.765,81.499 R1408.1@12.765,80.948
NetIC1405_9: IC1405.9 R1407.1 | length 5.1
  Top Copper w0.203: IC1405.9@11.906,82.884 IC1405.9@11.906,83.226 11.906,84.55 12.192,84.836 13.335,84.836 13.955,84.216 R1407.1@14.922,84.216
NetIC1405_11: IC1405.11 R1406.1 | length 3.3
  Top Copper w0.203: IC1405.11@12.541,87.876 13.2,87.876 13.494,88.17 R1406.1@13.494,90.408
NetIC1405_12: IC1405.12 R1405.1 | length 2.3
  Top Copper w0.203: IC1405.12@11.906,88.218 11.906,89.361 12.065,89.52 R1405.1@12.065,90.408
NetIC1501_3: IC1501.3 R1502.1 | length 5.2
  Top Copper w0.152: IC1501.3@79.969,11.733 IC1501.3@80.009,11.733 80.977,11.733 81.28,11.43 81.28,8.875 80.962,8.558 R1502.1@80.234,8.558
NetIC1501_7: IC1501.7 R1501.1 | length 1.6
  Top Copper w0.152: IC1501.7@85.449,13.003 R1501.1@87.089,13.003
NetLED201_1: LED201.1 R201.2 | length 1.5
  Top Copper w0.152: R201.2@60.222,48.086 LED201.1@61.75,48.086
NetLED301_1: LED301.1 R301.1 | length 1.5
  Top Copper w0.152: LED301.1@63.25,21.575 R301.1@64.714,21.575
NetLED401_1: LED401.1 R408.2 | length 1.5
  Top Copper w0.152: R408.2@60.222,46.499 LED401.1@61.75,46.499
NetLED402_1: LED402.1 R409.2 | length 1.5
  Top Copper w0.152: R409.2@60.222,44.911 LED402.1@61.75,44.911
NetLED501_1: LED501.1 R508.2 | length 1.5
  Top Copper w0.152: LED501.1@63.25,19.988 R508.2@64.714,19.988
NetLED502_1: LED502.1 R509.2 | length 1.5
  Top Copper w0.152: LED502.1@63.25,18.4 R509.2@64.714,18.4
NetR403_1: R403.1 R404.2 | length 1.6
  Top Copper w0.152: R404.2@54.228,41.578 54.228,42.129 R403.1@54.227,43.165
NetR406_2: R406.2 S401.1 S401.2 | length 5.9
  Top Copper w0.152: R406.2@52.387,39.579 53.287,39.579 53.526,39.818 S401.1@54.127,39.818 S401.2@54.127,35.717
NetR501_1: R501.1 R503.2 | length 1.3
  Top Copper w0.152: R503.2@37.782,39.729 R501.1@37.782,41.045
NetR506_2: R506.2 S501.1 S501.2 | length 5.8
  Top Copper w0.203: S501.2@54.921,1.745 S501.1@54.921,5.845 54.921,6.397 54.927,6.403 R506.2@54.927,7.54
NetR704_1: R704.1 R705.2 | length 1.9
  Top Copper w0.305: R704.1@141.511,103.173 142.706,103.173 142.8,103.079 R705.2@143.351,103.079
NetR706_2: R706.2 R707.1 T701.G | length 3.4
  Top Copper w0.61: T701.G@133.67,108.958 133.67,107.973 133.826,107.817 R706.2@133.826,107.365 134.378,107.365 R707.1@135.572,107.365
NetR804_2: R804.2 T801.D | length 8.8
  Top Copper w0.305: T801.D@120.491,69.765 120.491,76.168 121.22,76.897 R804.2@121.22,78.249
NetR805_1: R805.1 R806.1 T801.G | length 3.2
  Top Copper w0.305: T801.G@119.541,67.365 119.541,66.668 119.791,66.418 R805.1@119.791,65.866 R806.1@119.791,64.279
NetR905_2: R905.2 T901.1 | length 2.1
  Top Copper w0.254: T901.1@55.93,102.489 55.93,103.682 56.134,103.886 R905.2@56.737,103.886
NetR907_1: R907.1 T902.D | length 1.9
  Top Copper w0.254: T902.D@56.832,59.923 57.256,59.923 57.533,60.2 R907.1@57.533,61.263
NetR908_1: R908.1 R909.1 T902.G | length 3.1
  Top Copper w0.254: R908.1@54.451,57.864 55.003,57.864 55.344,57.523 T902.G@55.882,57.523 55.882,56.921 56.069,56.734 56.132,56.734 R909.1@56.132,56.183
NetR910_1: R910.1 T903.D | length 2.5
  Top Copper w0.203: T903.D@36.036,64.508 37.203,64.508 37.544,64.849 R910.1@38.417,64.849
NetR911_1: R911.1 R912.1 T903.G | length 3.3
  Top Copper w0.203: R912.1@36.736,70.153 R911.1@36.736,68.406 36.736,67.855 36.986,67.605 T903.G@36.986,66.908
NetR1001_1: R1001.1 R1003.2 T1001.G | length 3.1
  Top Copper w0.254: R1003.2@59.372,57.864 60.061,57.864 60.402,57.523 T1001.G@60.804,57.523 60.804,56.921 60.867,56.921 61.054,56.734 R1001.1@61.054,56.183
NetR1002_1: R1002.1 R1004.2 T1002.G | length 3.1
  Top Copper w0.254: R1004.2@74.136,57.864 74.825,57.864 75.166,57.523 T1002.G@75.567,57.523 75.567,56.921 75.754,56.734 75.817,56.734 R1002.1@75.817,56.183